# Altium PCB m-BLANC.PcbDoc (part 5 of 15) (continued)
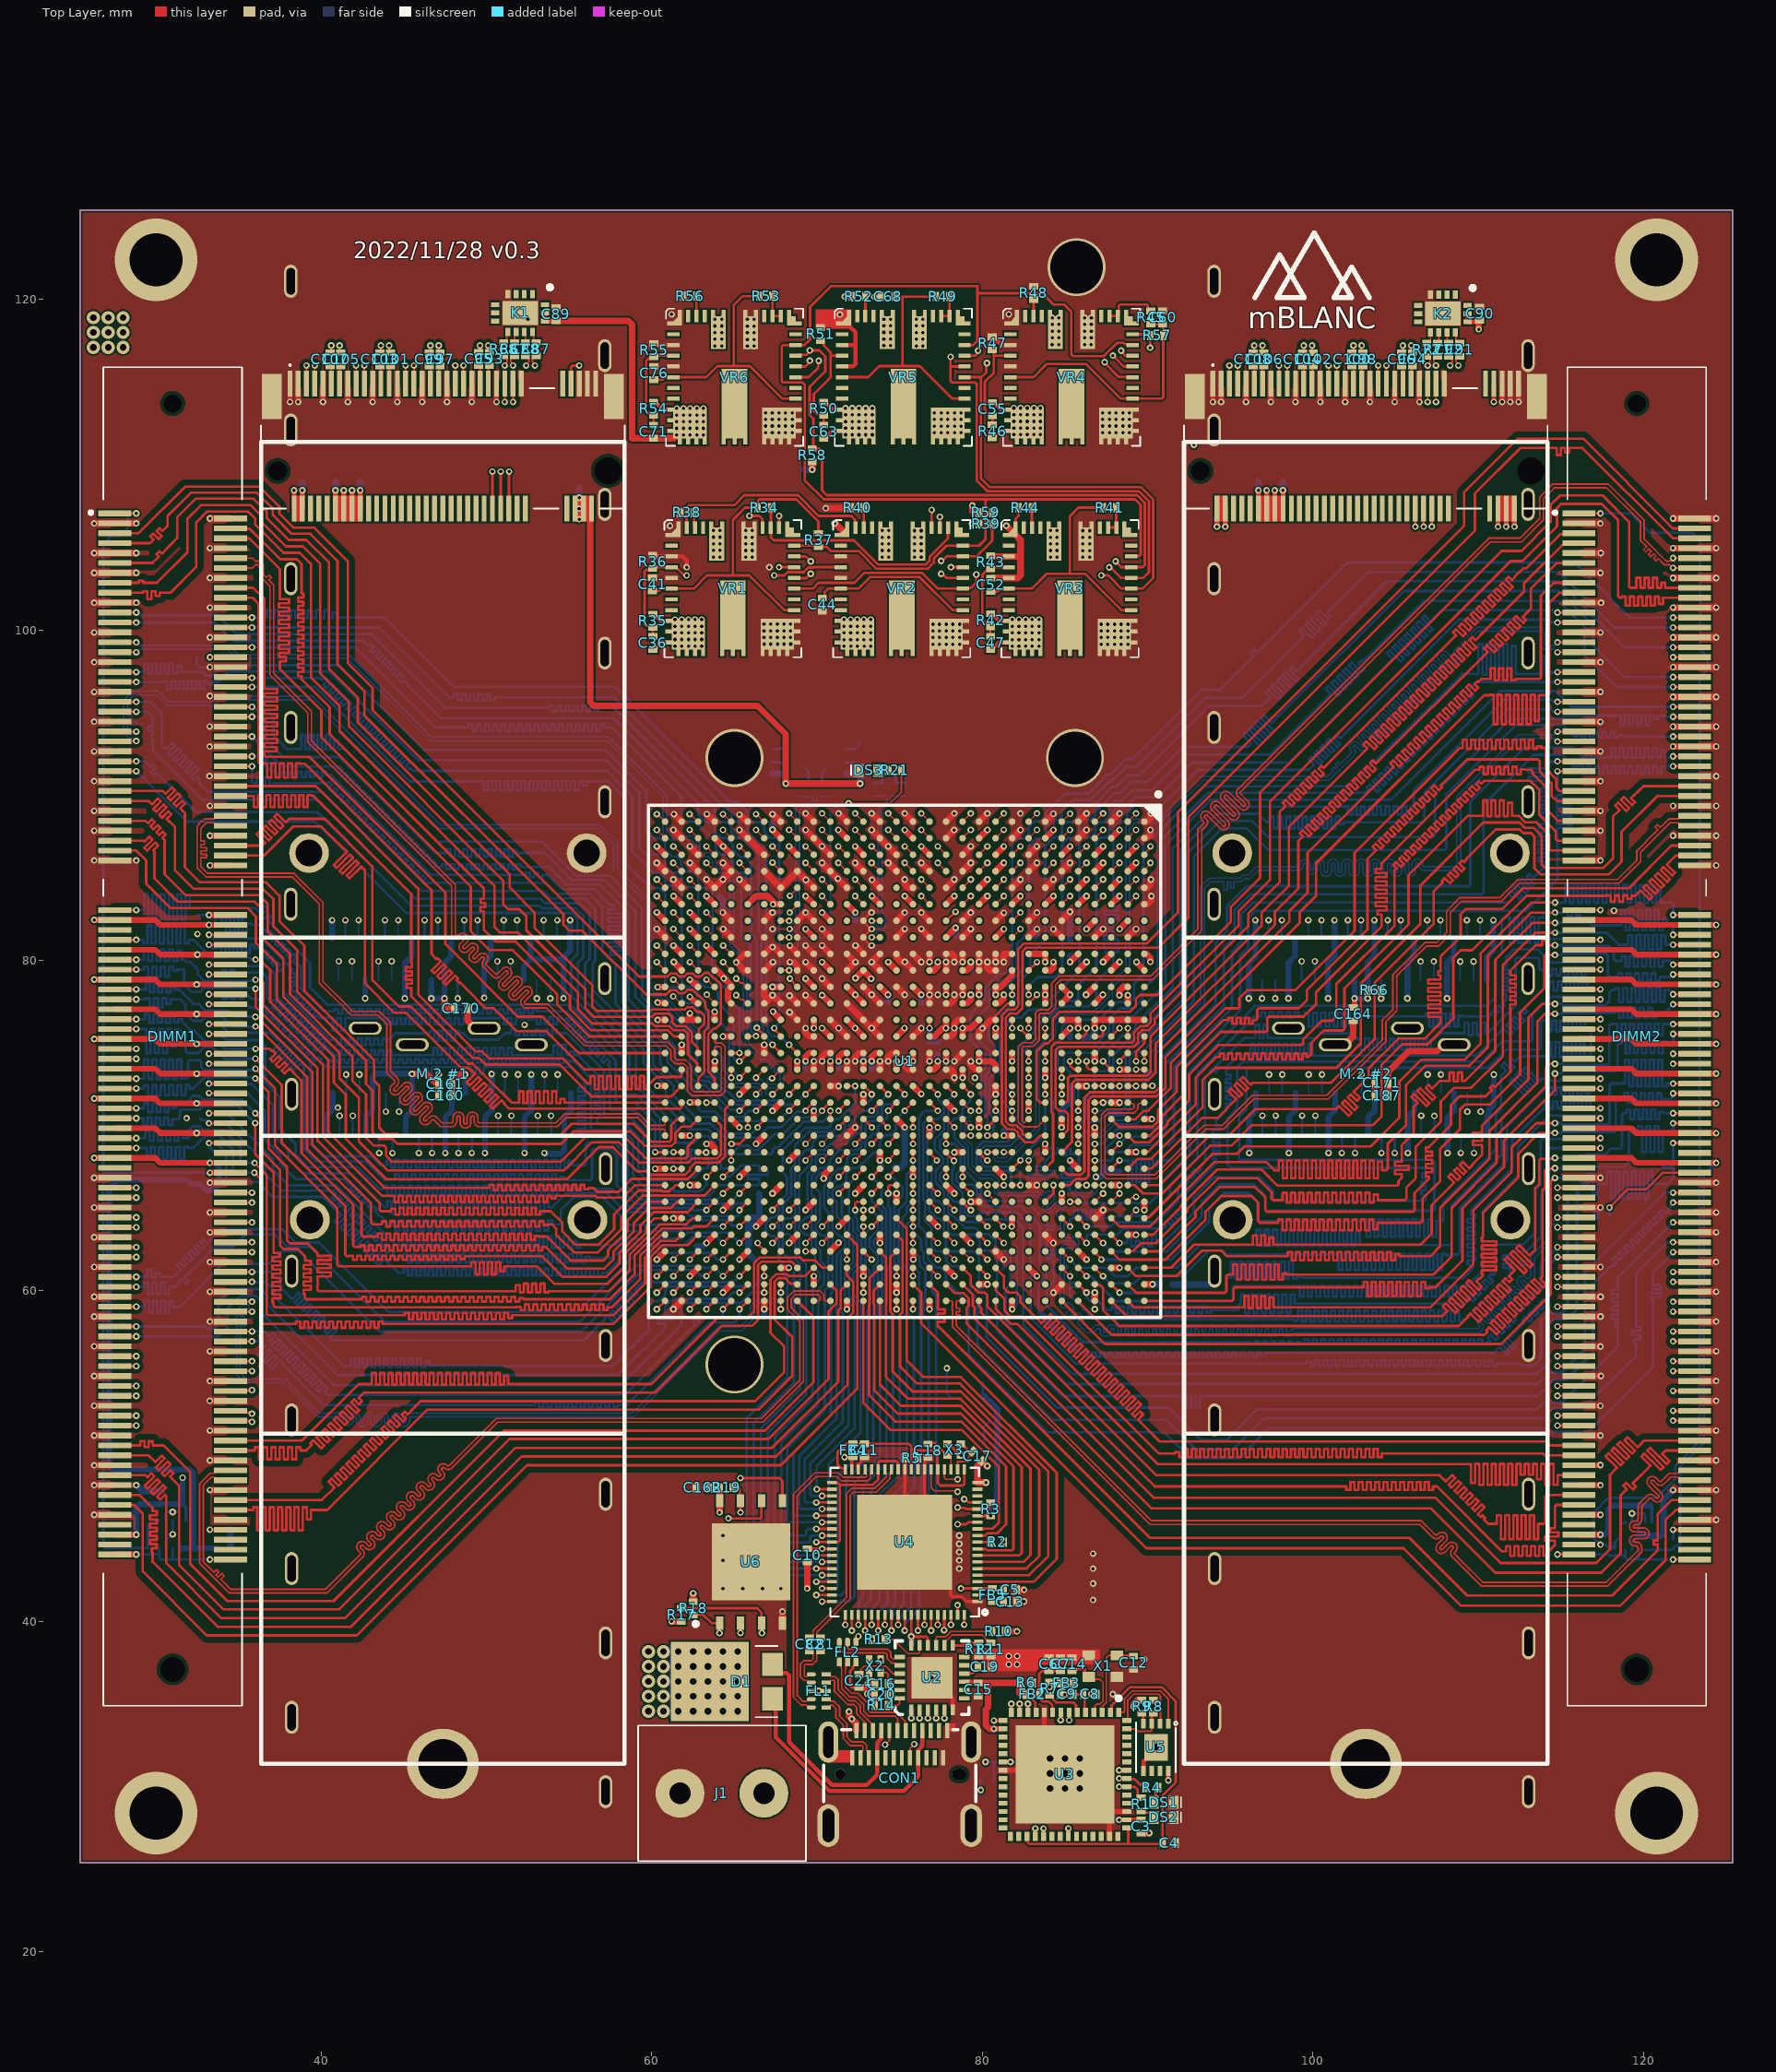
[diagram p0: Top Layer view]
## Nets (pads, with @x,y where several pads share a name; then routed paths per layer and width w, separated by ;. In a path a pad name is that pad's centre, name@x,y a point inside that pad or via, vN(x,y) a via of type N, cw(c..) or ccw(c..) an arc to the next point about the centre after c; other vN are vias at no path point) (continued)
DRAM1_DQ48: DIMM1.163 U1.AC24 | length 52.5
  Top Layer w0.15: DIMM1.163@27.5,56.05 v1(28.8,56.05) ; v1(67.3,64.9) U1.AC24@67.8,65.4
  InLayer2 (Signal) w0.15: v1(28.8,56.05) 28.848,56.002 28.976,56.002 29.013,55.965 29.417,55.965 29.492,55.965 29.492,56.42 29.742,56.42 29.742,55.902 29.992,55.902 29.992,56.42 30.242,56.42 30.242,55.902 30.492,55.902 30.492,56.42 30.742,56.42 30.742,55.902 30.992,55.902 30.992,56.162 31.242,56.162 31.242,55.965 31.813,55.965 34.265,55.965 34.848,56.548 36.048,56.548 36.25,56.75 41.35,56.75 42.7,55.4 61.7,55.4 62.087,55.787 62.087,56.308 63.861,58.082 65.423,58.082 65.675,58.334 65.675,63.951 66.128,64.405 66.487,64.405 66.893,64.812 67.144,64.812 67.232,64.9 v1(67.3,64.9)
DRAM1_DQ49: DIMM1.165 U1.AB24 | length 53.7
  Top Layer w0.15: DIMM1.165@27.5,55.45 v1(28.8,55.45) ; v1(68.3,64.9) U1.AB24@68.8,65.4
  InLayer2 (Signal) w0.15: v1(28.8,55.45) 30.606,55.45 30.681,55.45 30.681,55.454 30.931,55.454 30.931,54.992 31.181,54.992 31.181,55.454 31.431,55.454 31.431,54.992 31.681,54.992 31.681,55.454 31.931,55.454 31.931,54.992 32.181,54.992 32.181,55.454 32.431,55.454 32.431,55.128 32.681,55.128 32.681,55.45 33.129,55.45 34.55,55.45 35.356,56.256 40.845,56.256 42.302,54.8 61.8,54.8 62.496,55.496 62.496,56.077 64.098,57.679 65.637,57.679 65.925,57.967 65.925,63.077 66.257,63.409 66.588,63.409 66.8,63.621 66.8,64.082 67.108,64.389 67.789,64.389 v1(68.3,64.9)
DRAM1_DQ50: DIMM1.175 U1.Y26 | length 56.9
  Top Layer w0.15: DIMM1.175@27.5,52.45 28.621,52.45 v1(28.8,52.45) ; v1(70.3,62.9) U1.Y26@70.8,63.4
  InLayer2 (Signal) w0.15: v1(28.8,52.45) 29.85,52.45 31.5,50.8 35.019,50.8 35.094,50.8 35.094,51.007 35.344,51.007 35.344,50.693 35.594,50.693 35.594,51.007 35.844,51.007 35.844,50.693 36.094,50.693 36.094,50.903 36.344,50.903 36.344,50.8 36.712,50.8 36.8,50.8 37.264,50.336 67.55,50.336 70.447,53.233 70.447,62.687 70.3,62.834 v1(70.3,62.9)
DRAM1_DQ51: DIMM1.177 U1.Y25 | length 57.5
  Top Layer w0.15: DIMM1.177@27.5,51.85 28.621,51.85 v1(28.8,51.85) ; v1(70.3,63.9) U1.Y25@70.8,64.4
  InLayer2 (Signal) w0.15: v1(28.8,51.85) 29.65,51.85 31.2,50.3 34.1,50.3 34.588,49.812 35,49.812 36.1,49.812 67.84,49.812 70.899,52.871 70.899,63.301 v1(70.3,63.9)
DRAM1_DQ52: DIMM1.164 U1.AD27 | length 51.4
  Top Layer w0.15: DIMM1.164@34.5,55.75 35.621,55.75 v1(35.8,55.75) ; v1(66.4,62.9) 66.4,62.85 66.8,62.45 U1.AD27@66.8,62.4
  InLayer2 (Signal) w0.15: v1(35.8,55.75) 40.55,55.75 42.1,54.2 55.033,54.2 55.108,54.2 55.108,54.33 55.358,54.33 55.358,54.05 55.608,54.05 55.608,54.33 55.858,54.33 55.858,54.05 56.108,54.05 56.108,54.33 56.358,54.33 56.358,54.05 56.608,54.05 56.608,54.33 56.858,54.33 56.858,54.05 57.108,54.05 57.108,54.33 57.358,54.33 57.358,54.05 57.608,54.05 57.608,54.33 57.858,54.33 57.858,54.05 58.108,54.05 58.108,54.33 58.358,54.33 58.358,54.05 58.608,54.05 58.608,54.33 58.858,54.33 58.858,54.05 59.108,54.05 59.108,54.33 59.358,54.33 59.358,54.05 59.608,54.05 59.608,54.33 59.858,54.33 59.858,54.05 60.108,54.05 60.108,54.33 60.358,54.33 60.358,54.05 60.608,54.05 60.608,54.33 60.858,54.33 60.858,54.05 61.108,54.05 61.108,54.33 61.358,54.33 61.358,54.05 61.608,54.05 61.608,54.33 61.858,54.33 61.858,54.05 62.108,54.05 62.108,54.239 62.358,54.239 62.358,54.2 62.831,54.2 63.1,54.2 63.813,53.487 66.039,53.487 67.095,54.544 67.095,58.665 67.175,58.745 67.175,59.159 67.175,61.147 66.777,61.545 66.777,62.746 66.662,62.861 66.439,62.861 v1(66.4,62.9)
DRAM1_DQ53: DIMM1.166 U1.AC26 | length 51.6
  Top Layer w0.15: DIMM1.166@34.5,55.15 35.621,55.15 v1(35.8,55.15) ; v1(67.3,62.9) U1.AC26@67.8,63.4
  InLayer2 (Signal) w0.15: v1(35.8,55.15) 40.35,55.15 41.889,53.611 48.855,53.611 48.93,53.611 48.93,53.805 49.18,53.805 49.18,53.475 49.43,53.475 49.43,53.805 49.68,53.805 49.68,53.475 49.93,53.475 49.93,53.805 50.18,53.805 50.18,53.475 50.43,53.475 50.43,53.805 50.68,53.805 50.68,53.475 50.93,53.475 50.93,53.805 51.18,53.805 51.18,53.475 51.43,53.475 51.43,53.805 51.68,53.805 51.68,53.475 51.93,53.475 51.93,53.805 52.18,53.805 52.18,53.475 52.43,53.475 52.43,53.805 52.68,53.805 52.68,53.475 52.93,53.475 52.93,53.805 53.18,53.805 53.18,53.475 53.43,53.475 53.43,53.805 53.68,53.805 53.68,53.475 53.93,53.475 53.93,53.805 54.18,53.805 54.18,53.475 54.43,53.475 54.43,53.805 54.68,53.805 54.68,53.475 54.93,53.475 54.93,53.624 55.18,53.624 55.18,53.611 55.404,53.611 62.989,53.611 63.514,53.086 66.222,53.086 67.425,54.288 67.425,56.578 67.425,59.055 67.425,61.775 67.3,61.9 v1(67.3,62.9)
DRAM1_DQ54: DIMM1.174 U1.AA27 | length 57.3
  Top Layer w0.15: DIMM1.174@34.5,52.75 34.6,52.65 35.657,52.65 35.732,52.575 v1(35.8,52.575) ; v1(69.3,62.4) U1.AA27@69.8,62.4
  InLayer2 (Signal) w0.15: v1(35.8,52.575) 36.59,52.575 37.557,53.543 38.757,53.543 39.15,53.15 39.203,53.097 39.251,53.145 39.428,52.969 39.084,52.625 39.261,52.448 39.605,52.792 39.782,52.615 39.513,52.347 39.69,52.17 39.91,52.39 40.198,52.102 40.818,51.482 67.262,51.482 69.379,53.599 69.379,53.718 69.379,53.793 69.209,53.793 69.209,54.043 69.56,54.043 69.56,54.293 69.209,54.293 69.209,54.543 69.56,54.543 69.56,54.793 69.209,54.793 69.209,55.043 69.56,55.043 69.56,55.293 69.209,55.293 69.209,55.543 69.56,55.543 69.56,55.793 69.209,55.793 69.209,56.043 69.56,56.043 69.56,56.293 69.209,56.293 69.209,56.543 69.56,56.543 69.56,56.793 69.209,56.793 69.209,57.043 69.56,57.043 69.56,57.293 69.209,57.293 69.209,57.543 69.56,57.543 69.56,57.793 69.209,57.793 69.209,58.043 69.56,58.043 69.56,58.293 69.209,58.293 69.209,58.543 69.56,58.543 69.56,58.793 69.209,58.793 69.209,59.043 69.56,59.043 69.56,59.293 69.209,59.293 69.209,59.543 69.56,59.543 69.56,59.793 69.209,59.793 69.209,60.043 69.56,60.043 69.56,60.293 69.334,60.293 69.334,60.543 69.347,60.543 69.347,60.631 69.3,60.678 69.3,60.765 v1(69.3,62.4)
DRAM1_DQ55: DIMM1.176 U1.AA26 | length 56.4
  Top Layer w0.15: DIMM1.176@34.5,52.15 35.621,52.15 35.657,52.15 35.732,52.075 v1(35.8,52.075) ; v1(69.3,62.9) U1.AA26@69.8,63.4
  InLayer2 (Signal) w0.15: v1(35.8,52.075) 35.822,52.097 36.616,52.097 36.856,51.856 36.91,51.803 37.007,51.901 37.184,51.725 37.086,51.627 37.329,51.383 37.778,50.935 38.9,50.935 38.975,50.935 38.975,51.043 39.225,51.043 39.225,50.78 39.475,50.78 39.475,51.043 39.725,51.043 39.725,50.78 39.975,50.78 39.975,51.043 40.225,51.043 40.225,50.78 40.475,50.78 40.475,51.043 40.725,51.043 40.725,50.78 40.975,50.78 40.975,51.043 41.225,51.043 41.225,50.78 41.475,50.78 41.475,51.043 41.725,51.043 41.725,50.78 41.975,50.78 41.975,51.043 42.225,51.043 42.225,50.78 42.475,50.78 42.475,51.043 42.725,51.043 42.725,50.78 42.975,50.78 42.975,51.043 43.225,51.043 43.225,50.78 43.475,50.78 43.475,51.043 43.725,51.043 43.725,50.78 43.975,50.78 43.975,51.043 44.225,51.043 44.225,50.78 44.475,50.78 44.475,51.043 44.725,51.043 44.725,50.78 44.975,50.78 44.975,51.043 45.225,51.043 45.225,50.78 45.475,50.78 45.475,51.043 45.725,51.043 45.725,50.78 45.975,50.78 45.975,51.043 46.225,51.043 46.225,50.78 46.475,50.78 46.475,51.043 46.725,51.043 46.725,50.78 46.975,50.78 46.975,50.935 47.12,50.935 67.448,50.935 69.968,53.455 69.968,60.538 70.175,60.745 70.175,61.055 69.968,61.262 69.968,62.262 69.33,62.9 v1(69.3,62.9)
DRAM1_DQ56: DIMM1.181 U1.AB30 | length 61.5
  Top Layer w0.15: DIMM1.181@27.5,50.65 28.975,50.65 29.05,50.65 29.05,50.917 29.3,50.917 29.3,50.557 29.55,50.557 29.55,50.906 29.8,50.906 29.8,50.65 30.342,50.65 30.45,50.65 32.069,49.031 32.069,43.469 34.301,41.237 40.737,41.237 51.048,51.548 66.834,51.548 69.787,54.501 69.787,58.413 U1.AB30@68.8,59.4
DRAM1_DQ57: DIMM1.183 U1.Y29 | length 65.4
  Top Layer w0.15: DIMM1.183@27.5,50.05 29.55,50.05 29.9,49.7 29.953,49.647 30.347,50.041 30.524,49.864 29.981,49.322 30.158,49.145 30.701,49.688 30.878,49.511 30.335,48.968 30.512,48.791 30.865,49.144 31.041,48.968 30.837,48.763 31.29,48.31 31.4,48.2 31.4,43.407 34.078,40.729 41.068,40.729 51.384,51.046 67.051,51.046 70.687,54.682 70.687,58.756 71.175,59.245 71.175,60.025 U1.Y29@70.8,60.4
DRAM1_DQ58: DIMM1.191 U1.W28 | length 66.9
  Top Layer w0.15: DIMM1.191@27.5,47.65 29,47.65 29.79,46.86 29.79,46.756 29.79,46.681 30.034,46.681 30.034,46.431 29.615,46.431 29.615,46.181 30.034,46.181 30.034,45.931 29.615,45.931 29.615,45.681 30.034,45.681 30.034,45.431 29.615,45.431 29.615,45.181 30.034,45.181 30.034,44.931 29.615,44.931 29.615,44.681 30.034,44.681 30.034,44.431 29.733,44.431 29.733,44.181 29.79,44.181 29.79,43.799 29.79,43.615 33.726,39.679 41.799,39.679 52.105,49.986 67.517,49.986 71.856,54.324 71.856,58.352 72.175,58.672 72.175,60.229 72.175,60.558 71.8,60.933 U1.W28@71.8,61.4
DRAM1_DQ59: DIMM1.193 U1.W26 | length 66
  Top Layer w0.15: DIMM1.193@27.5,47.05 28.672,47.05 28.711,47.011 29.111,46.611 29.192,46.53 29.192,43.028 33.06,39.16 42.143,39.16 52.439,49.456 67.803,49.456 72.425,54.078 72.425,60.055 72.425,62.775 U1.W26@71.8,63.4
DRAM1_DQ60: DIMM1.180 U1.Y28 | length 66.3
  Top Layer w0.15: DIMM1.180@34.5,50.95 38.84,50.95 42.256,54.365 42.975,54.365 43.05,54.365 43.05,55.037 43.3,55.037 43.3,54.336 43.55,54.336 43.55,55.037 43.8,55.037 43.8,54.336 44.05,54.336 44.05,55.037 44.3,55.037 44.3,54.336 44.55,54.336 44.55,55.037 44.8,55.037 44.8,54.336 45.05,54.336 45.05,55.037 45.3,55.037 45.3,54.336 45.55,54.336 45.55,55.037 45.8,55.037 45.8,54.336 46.05,54.336 46.05,55.037 46.3,55.037 46.3,54.336 46.55,54.336 46.55,55.037 46.8,55.037 46.8,54.336 47.05,54.336 47.05,55.037 47.3,55.037 47.3,54.336 47.55,54.336 47.55,55.037 47.8,55.037 47.8,54.336 48.05,54.336 48.05,55.037 48.3,55.037 48.3,54.336 48.55,54.336 48.55,55.037 48.8,55.037 48.8,54.336 49.05,54.336 49.05,55.037 49.3,55.037 49.3,54.336 49.55,54.336 49.55,55.037 49.8,55.037 49.8,54.336 50.05,54.336 50.05,55.037 50.3,55.037 50.3,54.336 50.55,54.336 50.55,55.037 50.8,55.037 50.8,54.336 51.05,54.336 51.05,54.864 51.3,54.864 51.3,54.365 51.5,54.365 59.965,54.365 63.938,58.338 65.759,58.338 66.175,58.754 66.175,59.641 66.175,60.245 66.175,61.659 66.541,62.025 68.989,62.025 69.166,61.848 69.882,61.848 70.33,61.4 U1.Y28@70.8,61.4
DRAM1_DQ61: DIMM1.182 U1.AB28 | length 59.3
  Top Layer w0.15: DIMM1.182@34.5,50.35 35.9,50.35 35.975,50.35 35.975,50.537 36.225,50.537 36.225,49.814 36.475,49.814 36.475,50.537 36.725,50.537 36.725,49.814 36.975,49.814 36.975,50.537 37.225,50.537 37.225,49.814 37.475,49.814 37.475,50.537 37.725,50.537 37.725,49.814 37.975,49.814 37.975,50.537 38.225,50.537 38.225,49.814 38.475,49.814 38.475,50.537 38.725,50.537 38.725,50.35 38.888,50.35 39.084,50.35 39.311,50.577 39.364,50.63 39.427,50.692 39.333,50.786 39.51,50.963 40.001,50.472 40.178,50.648 39.686,51.14 39.863,51.317 40.355,50.825 40.531,51.002 40.04,51.493 40.217,51.67 40.708,51.179 40.885,51.356 40.393,51.847 40.57,52.024 41.062,51.532 41.238,51.709 40.747,52.201 40.924,52.377 41.415,51.886 41.592,52.063 41.1,52.554 41.277,52.731 41.769,52.239 41.945,52.416 41.454,52.908 41.631,53.084 42.122,52.593 42.299,52.77 41.808,53.261 41.984,53.438 42.275,53.147 42.452,53.324 42.257,53.519 42.316,53.578 42.532,53.794 42.585,53.847 60.197,53.847 64.25,57.9 66.075,57.9 66.425,58.25 66.425,59.055 66.425,59.745 66.425,60.141 66.425,61.555 66.645,61.775 68.462,61.775 68.8,61.437 U1.AB28@68.8,61.4
DRAM1_DQ62: DIMM1.192 U1.AA28 | length 60.4
  Top Layer w0.15: DIMM1.192@34.5,47.35 40.029,47.35 40.74,48.06 40.793,48.113 40.444,48.462 40.621,48.638 41.043,48.217 41.22,48.393 40.798,48.815 40.975,48.992 41.396,48.57 41.573,48.747 41.152,49.169 41.328,49.346 41.75,48.924 41.927,49.101 41.505,49.522 41.682,49.699 42.104,49.277 42.28,49.454 41.859,49.876 42.035,50.053 42.457,49.631 42.634,49.808 42.212,50.229 42.389,50.406 42.811,49.984 42.987,50.161 42.566,50.583 42.742,50.76 43.164,50.338 43.341,50.515 42.919,50.937 43.096,51.113 43.518,50.692 43.695,50.868 43.273,51.29 43.45,51.467 43.871,51.045 44.048,51.222 43.626,51.644 43.803,51.82 44.225,51.399 44.402,51.575 43.98,51.997 44.157,52.174 44.578,51.752 44.755,51.929 44.333,52.351 44.51,52.528 44.932,52.106 45.109,52.283 44.868,52.523 45.045,52.7 45.212,52.533 45.564,52.885 46.006,53.326 66.244,53.326 68,55.083 68,56.645 67.175,57.47 67.175,59.555 67.175,60.159 67.175,60.659 67.541,61.025 68.161,61.025 68.286,60.9 69.27,60.9 69.77,61.4 U1.AA28@69.8,61.4
DRAM1_DQ63: DIMM1.194 U1.AB29 | length 63.3
  Top Layer w0.15: DIMM1.194@34.5,46.75 35.8,46.75 35.875,46.75 35.875,46.912 36.125,46.912 36.125,45.522 36.375,45.522 36.375,46.912 36.625,46.912 36.625,45.522 36.875,45.522 36.875,46.912 37.125,46.912 37.125,45.522 37.375,45.522 37.375,46.912 37.625,46.912 37.625,45.522 37.875,45.522 37.875,46.912 38.125,46.912 38.125,45.522 38.375,45.522 38.375,46.912 38.625,46.912 38.625,45.522 38.875,45.522 38.875,46.912 39.125,46.912 39.125,46.171 39.375,46.171 39.375,46.75 39.5,46.75 40.35,46.75 46.42,52.82 66.466,52.82 68.5,54.854 68.5,57.2 67.425,58.275 67.425,59.659 67.425,60.055 67.425,60.555 67.645,60.775 68.057,60.775 68.385,60.448 68.752,60.448 U1.AB29@68.8,60.4
DRAM1_DQS0_N: DIMM1.10 U1.AG15 | length 61.8
  Top Layer w0.1: DIMM1.10@34.5,104.35 35.621,104.35 35.8,104.35 35.821,104.35 36.009,104.163 36.243,104.163 36.503,103.903 36.503,103.347 36.644,103.206 36.679,103.171 36.822,103.313 36.963,103.172 36.821,103.029 36.925,102.925 37.113,102.737 37.113,97.368 39.4,95.081 39.4,93.297 48.1,84.597 48.1,81.68 48.1,81.619 48.184,81.535 ccw(c48.255,81.606) 48.326,81.535 48.363,81.572 48.368,81.572 cw(c48.56,81.309) 48.789,81.079 ; 48.591,80.881 ccw(c48.661,80.81) 48.59,80.739 ccw(c48.661,80.81) 48.732,80.739 48.964,80.971 48.969,80.971 cw(c49.161,80.708) 49.391,80.938 cw(c49.161,80.708) 49.39,80.478 49.192,80.28 ; 48.591,80.881 48.789,81.079 ; 49.191,80.138 cw(c49.262,80.208) 49.192,80.279 ; 49.192,80.138 ccw(c49.262,80.208) 49.333,80.138 49.565,80.37 49.57,80.37 cw(c49.762,80.107) 49.991,79.877 49.988,79.874 ccw(c50.058,79.802) 49.988,79.731 ; 49.988,79.731 50.165,79.554 cw(c50.086,79.474) 50.166,79.553 50.28,79.439 50.407,79.312 50.521,79.198 ; 50.522,79.198 ccw(c50.593,79.268) 50.664,79.198 ; 50.664,79.198 50.995,79.529 51,79.529 cw(c51.192,79.266) 51.421,79.036 50.987,78.602 ccw(c51.057,78.53) 50.986,78.459 ccw(c51.057,78.53) 51.128,78.46 ; 51.128,78.46 51.633,78.965 51.638,78.965 cw(c51.829,78.702) 52.059,78.471 ; 51.587,78 ccw(c51.658,77.929) 51.587,77.858 ccw(c51.658,77.929) 51.729,77.859 ; 51.588,78.001 52.059,78.471 ; 51.729,77.859 52.234,78.363 52.239,78.363 cw(c52.43,78.101) 52.66,77.87 52.326,77.536 ccw(c52.396,77.465) 52.325,77.394 52.368,77.351 52.457,77.351 52.847,77.352 52.894,77.351 52.895,77.35 53.724,77.35 54.953,76.12 56.024,75.05 60.963,75.05 61.375,74.638 61.375,74.1 61.5,73.975 62.038,73.975 62.375,73.638 62.375,72.214 62.539,72.05 64.091,72.05 64.2,72.159 64.2,74.7 64.113,74.788 63.859,74.788 63.8,74.729 U1.AG15@63.8,74.4
DRAM1_DQS0_P: DIMM1.12 U1.AG14 | length 62.2
  Top Layer w0.1: DIMM1.12@34.5,103.75 35.621,103.75 35.8,103.75 35.821,103.75 36.009,103.938 36.15,103.938 36.278,103.809 36.278,103.254 36.888,102.644 36.888,97.275 39.175,94.988 39.175,93.204 47.875,84.504 47.875,81.526 47.91,81.491 48.025,81.376 ; 48.025,81.376 ccw(c48.255,81.606) 48.485,81.376 48.488,81.379 cw(c48.56,81.309) 48.63,81.38 cw(c48.56,81.309) 48.63,81.238 ; 48.63,81.238 48.398,81.006 48.398,81.001 ccw(c48.661,80.81) 48.891,80.58 49.089,80.778 cw(c49.161,80.708) 49.231,80.779 ; 49.231,80.637 48.999,80.405 48.999,80.4 ccw(c49.262,80.208) 49.493,79.979 ; 49.231,80.637 ccw(c49.161,80.708) 49.232,80.778 ; 49.493,79.979 49.69,80.177 ; 49.691,80.177 cw(c49.762,80.107) 49.832,80.178 cw(c49.762,80.107) 49.832,80.036 ; 49.832,80.036 49.829,80.033 ccw(c50.058,79.802) 49.829,79.572 50.006,79.395 ccw(c50.086,79.474) 50.007,79.394 50.121,79.28 50.248,79.153 50.362,79.039 ; 50.363,79.038 ccw(c50.593,79.268) 50.823,79.039 51.12,79.336 ; 51.121,79.336 cw(c51.192,79.266) 51.262,79.195 50.794,78.727 50.794,78.721 ccw(c51.057,78.53) 50.826,78.301 ccw(c51.057,78.53) 50.827,78.3 ccw(c51.057,78.53) 50.828,78.299 ccw(c51.057,78.53) 51.287,78.301 ; 51.287,78.301 51.758,78.772 ; 51.758,78.772 cw(c51.829,78.702) 51.9,78.631 51.395,78.126 51.395,78.12 ccw(c51.658,77.929) 51.427,77.7 ccw(c51.658,77.929) 51.428,77.699 ccw(c51.658,77.929) 51.429,77.698 ccw(c51.658,77.929) 51.888,77.7 52.359,78.171 cw(c52.43,78.101) 52.501,78.03 ; 52.458,77.126 52.622,77.126 ; 52.457,77.126 52.275,77.126 52.167,77.234 cw(c52.396,77.465) 52.166,77.695 52.5,78.029 ; 52.622,77.126 52.8,77.126 52.802,77.125 53.631,77.125 54.728,76.027 55.931,74.825 60.87,74.825 61.15,74.545 61.15,74.007 61.407,73.75 61.945,73.75 62.15,73.545 62.15,72.121 62.446,71.825 64.185,71.825 64.425,72.065 64.425,74.793 64.359,74.859 64.206,75.013 63.859,75.013 63.8,75.071 U1.AG14@63.8,75.4
DRAM1_DQS1_N: DIMM1.27 U1.AD16 | length 62
  Top Layer w0.1: DIMM1.27@27.5,99.25 v1(28.8,99.25) ; v1(66.3,72.9) U1.AD16@66.8,73.4
  Bottom Layer w0.1: v1(28.8,99.25) 28.821,99.25 29.009,99.062 34.398,99.062 34.946,98.515 41.648,98.515 46.647,93.516 57.373,93.516 60.9,89.989 60.9,87.8 61.175,87.525 62.488,87.525 62.9,87.113 62.9,86.65 63.026,86.524 63.49,86.524 63.9,86.113 63.9,85.7 64.075,85.525 64.53,85.525 64.947,85.107 64.947,80.971 65.75,80.168 65.75,75.656 65.875,75.531 65.875,74.974 66.624,74.225 67.072,74.225 67.145,74.152 67.992,73.305 67.992,72.507 67.778,72.293 67.025,72.293 66.965,72.353 66.745,72.573 66.745,72.71 66.741,72.714 66.613,72.843 66.357,72.843 v1(66.3,72.9)
DRAM1_DQS1_P: DIMM1.29 U1.AC16 | length 61.9
  Top Layer w0.1: DIMM1.29@27.5,98.65 v1(28.8,98.65) ; v1(67.268,72.868) U1.AC16@67.8,73.4
  Bottom Layer w0.1: v1(28.8,98.65) 28.821,98.65 29.009,98.837 34.305,98.837 34.853,98.29 41.555,98.29 46.554,93.291 57.28,93.291 60.675,89.896 60.675,87.707 61.082,87.3 62.395,87.3 62.675,87.02 62.675,86.557 62.933,86.299 63.396,86.299 63.675,86.02 63.675,85.607 63.741,85.541 63.982,85.3 64.437,85.3 64.722,85.014 64.722,80.878 65.525,80.075 65.525,75.562 65.65,75.437 65.65,74.881 66.531,74 66.979,74 67.027,73.952 67.062,73.916 67.204,73.775 67.004,73.575 67.145,73.433 67.345,73.633 67.487,73.492 67.349,73.355 67.491,73.213 67.628,73.351 67.738,73.241 67.767,73.212 67.767,72.6 67.685,72.518 67.118,72.518 67.058,72.578 66.97,72.666 66.97,72.809 67.029,72.868 v1(67.268,72.868) v1@67.21,72.925
DRAM1_DQS2_N: DIMM1.45 U1.AD17 | length 60.8
  Top Layer w0.1: DIMM1.45@27.5,93.85 v1(28.8,93.85) ; v1(66.3,71.9) U1.AD17@66.8,72.4
  Bottom Layer w0.1: v1(28.8,93.85) 28.766,93.85 28.591,93.675 28.48,93.675 28.259,93.896 28.259,93.992 28.259,94.242 28.904,94.242 28.904,94.442 28.259,94.442 28.259,94.642 28.513,94.642 28.513,94.842 28.259,94.842 28.259,95.042 28.398,95.042 28.398,95.242 28.259,95.242 28.259,95.4 28.259,95.659 28.666,96.065 30.017,96.065 30.657,95.425 33.488,95.425 33.832,95.769 39.322,95.769 47.116,87.975 56.744,87.975 57.686,87.034 57.686,85.502 59.7,83.488 59.7,78.213 60.102,77.811 60.492,77.811 61.725,76.578 61.725,76.562 62.062,76.225 62.078,76.225 63.109,75.193 63.109,73.577 63.41,73.275 63.612,73.275 64.562,72.325 66.379,72.325 66.662,72.041 66.662,71.959 66.604,71.9 v1(66.3,71.9)
DRAM1_DQS2_P: DIMM1.47 U1.AC17 | length 59.9
  Top Layer w0.1: DIMM1.47@27.5,93.25 27.525,93.275 v1(28.8,93.275) ; v1(67.3,71.9) U1.AC17@67.8,72.4
  Bottom Layer w0.1: v1(28.8,93.275) 28.766,93.275 28.591,93.45 28.387,93.45 28.034,93.803 28.034,95.4 28.034,95.752 28.572,96.29 30.11,96.29 30.75,95.65 33.395,95.65 33.739,95.994 39.416,95.994 47.209,88.2 56.838,88.2 57.911,87.127 57.911,85.595 59.925,83.581 59.925,78.307 60.196,78.036 60.585,78.036 61.95,76.671 61.95,76.655 62.155,76.45 62.171,76.45 63.334,75.287 63.334,73.67 63.504,73.5 63.705,73.5 64.655,72.55 66.472,72.55 66.887,72.135 66.887,71.984 66.971,71.9 v1(67.3,71.9)
DRAM1_DQS3_N: DIMM1.62 U1.AK20 | length 53.1
  Top Layer w0.1: DIMM1.62@34.5,88.75 33.675,88.75 33.55,88.625 33.55,88.621 33.491,88.563 33.35,88.563 32.945,88.563 32.841,88.459 32.765,88.383 32.719,88.428 32.578,88.287 32.623,88.241 32.588,88.206 32.482,88.1 32.482,85.588 33.024,85.046 38.254,85.046 39.875,83.425 39.875,78.625 41.4,77.1 41.8,76.7 43.412,76.7 43.964,76.148 43.964,73.195 44.007,73.152 44.422,72.737 cw(c44.352,72.666) 44.422,72.595 44.247,72.419 ccw(c44.476,72.189) 44.668,71.926 44.673,71.926 45.112,72.364 cw(c45.183,72.294) 45.253,72.365 ; 44.848,71.818 ccw(c45.077,71.588) 45.269,71.325 45.274,71.325 45.713,71.763 ; 44.848,71.818 45.253,72.223 ; 45.253,72.223 ccw(c45.183,72.294) 45.254,72.365 ; 45.713,71.764 cw(c45.784,71.693) 45.855,71.764 cw(c45.784,71.693) 45.854,71.622 ; 45.854,71.622 45.449,71.217 ccw(c45.678,70.987) 45.87,70.724 45.875,70.724 46.314,71.162 ; 46.314,71.163 cw(c46.385,71.092) 46.455,71.163 ; 46.456,71.162 cw(c46.385,71.092) 46.455,71.021 46.05,70.616 ccw(c46.279,70.386) 46.471,70.123 46.476,70.123 46.685,70.332 cw(c46.756,70.261) 46.828,70.331 47.175,69.984 47.215,69.944 47.706,69.944 47.868,69.944 ccw(c47.868,70.269) 48.193,70.269 48.193,70.494 cw(c48.293,70.494) 48.293,70.594 cw(c48.293,70.494) 48.393,70.494 48.393,70.188 ccw(c48.718,70.188) 48.718,69.863 ccw(c48.718,70.188) 49.043,70.188 49.043,70.494 cw(c49.143,70.494) 49.143,70.594 cw(c49.143,70.494) 49.243,70.494 49.243,70.269 ccw(c49.568,70.269) 49.568,69.944 50.172,69.944 54.28,69.944 54.827,70.492 59.127,70.492 59.831,69.788 60.741,69.788 60.8,69.729 U1.AK20@60.8,69.4
DRAM1_DQS3_P: DIMM1.64 U1.AK19 | length 54
  Top Layer w0.1: DIMM1.64@34.5,88.15 33.675,88.15 33.55,88.275 33.55,88.279 33.491,88.337 33.257,88.337 33.038,88.338 32.707,88.007 32.707,87.708 32.707,87.224 32.921,87.224 32.921,87.024 32.707,87.024 32.707,86.824 33.047,86.824 33.047,86.624 32.707,86.624 32.707,86.424 33.047,86.424 33.047,86.224 32.707,86.224 32.707,85.974 32.707,85.681 33.117,85.271 38.348,85.271 40.1,83.518 40.1,78.718 41.4,77.418 41.559,77.259 41.893,76.925 43.505,76.925 44.189,76.241 44.189,73.333 44.189,73.288 44.581,72.896 44.615,72.862 44.615,72.857 cw(c44.352,72.666) 44.581,72.435 44.406,72.26 ; 44.406,72.26 ccw(c44.476,72.189) 44.405,72.118 ccw(c44.476,72.189) 44.547,72.118 ; 44.548,72.119 44.952,72.523 cw(c45.183,72.294) 45.413,72.524 cw(c45.183,72.294) 45.446,72.103 45.446,72.097 45.007,71.659 ; 45.007,71.658 ccw(c45.077,71.588) 45.007,71.517 ccw(c45.077,71.588) 45.148,71.517 45.553,71.922 cw(c45.784,71.693) 46.047,71.502 46.047,71.496 45.608,71.058 ccw(c45.678,70.987) 45.608,70.916 ; 45.608,70.916 ccw(c45.678,70.987) 45.749,70.916 ; 45.75,70.917 46.155,71.321 cw(c46.385,71.092) 46.615,71.322 cw(c46.385,71.092) 46.648,70.901 46.648,70.895 46.209,70.457 ; 46.209,70.456 ccw(c46.279,70.386) 46.209,70.315 ccw(c46.279,70.386) 46.35,70.315 ; 46.351,70.316 46.526,70.491 cw(c46.756,70.261) 46.948,70.524 46.953,70.524 46.986,70.492 47.308,70.169 47.36,70.169 47.706,70.169 47.868,70.169 ccw(c47.868,70.269) 47.968,70.269 47.968,70.494 cw(c48.293,70.494) 48.293,70.819 cw(c48.293,70.494) 48.618,70.494 48.618,70.188 ccw(c48.718,70.188) 48.718,70.088 ccw(c48.718,70.188) 48.818,70.188 48.818,70.494 cw(c49.143,70.494) 49.143,70.819 cw(c49.143,70.494) 49.468,70.494 49.468,70.269 ccw(c49.568,70.269) 49.568,70.169 50.172,70.169 54.187,70.169 54.734,70.717 59.22,70.717 59.924,70.013 60.741,70.013 60.8,70.071 U1.AK19@60.8,70.4
DRAM1_DQS4_N: DIMM1.135 U1.AJ28 | length 44.8
  Top Layer w0.1: DIMM1.135@27.5,64.45 v1(28.8,64.45) ; v1(61.3,60.9) U1.AJ28@61.8,61.4
  InLayer2 (Signal) w0.1: v1(28.8,64.45) 28.814,64.45 29.009,64.255 29.44,64.255 29.49,64.255 29.49,64.423 29.69,64.423 29.69,64.255 29.89,64.255 29.89,64.423 30.09,64.423 30.09,64.255 30.29,64.255 30.29,64.423 30.49,64.423 30.49,64.255 30.69,64.255 30.69,64.341 30.89,64.341 30.89,64.255 30.992,64.255 31.712,64.255 34.5,61.467 34.5,61.189 35.664,60.025 35.98,60.025 37.579,58.426 39.647,58.426 40.194,58.973 58.389,58.973 59.426,57.937 61.832,57.937 62.701,58.806 62.701,60.216 62.643,60.275 61.881,60.275 61.69,60.465 61.69,61.229 61.632,61.287 61.359,61.287 61.3,61.229 v1(61.3,60.9)
DRAM1_DQS4_P: DIMM1.137 U1.AJ27 | length 44.4
  Top Layer w0.1: DIMM1.137@27.5,63.85 v1(28.8,63.85) ; v1(61.3,61.9) U1.AJ27@61.8,62.4
  InLayer2 (Signal) w0.1: v1(28.8,63.85) 28.828,63.85 29.009,64.03 29.9,64.03 30.15,64.03 30.15,64.027 30.35,64.027 30.35,64.03 30.675,64.03 31.619,64.03 34.275,61.374 34.275,61.096 35.571,59.8 35.887,59.8 37.485,58.201 39.741,58.201 40.287,58.748 58.296,58.748 59.333,57.712 61.925,57.712 62.926,58.713 62.926,60.31 62.736,60.5 61.974,60.5 61.915,60.559 61.915,61.322 61.725,61.512 61.359,61.512 61.3,61.571 v1(61.3,61.9)
DRAM1_DQS5_N: DIMM1.152 U1.AC30 | length 48.5
  Top Layer w0.1: DIMM1.152@34.5,59.35 35.621,59.35 v1(35.8,59.35) ; v1(67.8,58.9) U1.AC30@67.8,59.4
  Bottom Layer w0.1: v1(35.8,59.35) 35.613,59.162 35.244,59.162 35.141,59.059 34.87,58.788 34.87,54.93 35.1,54.7 35.359,54.441 37.741,54.441 39.807,52.375 40.195,52.375 41.175,52.375 cw(c41.175,52.275) 41.275,52.275 41.275,52.185 ccw(c41.6,52.185) 41.6,51.86 ccw(c41.6,52.185) 41.925,52.185 41.925,52.298 cw(c42.025,52.298) 42.025,52.398 cw(c42.025,52.298) 42.125,52.298 42.125,52.11 ccw(c42.45,52.11) 42.45,51.785 ccw(c42.45,52.11) 42.775,52.11 42.775,52.298 cw(c42.875,52.298) 42.875,52.398 cw(c42.875,52.298) 42.975,52.298 42.975,52.11 ccw(c43.3,52.11) 43.3,51.785 ccw(c43.3,52.11) 43.625,52.11 43.625,52.298 cw(c43.725,52.298) 43.725,52.398 cw(c43.725,52.298) 43.825,52.298 43.825,52.11 ccw(c44.15,52.11) 44.15,51.785 ccw(c44.15,52.11) 44.475,52.11 44.475,52.298 cw(c44.575,52.298) 44.575,52.398 cw(c44.575,52.298) 44.675,52.298 44.675,52.11 ccw(c45,52.11) 45,51.785 ccw(c45,52.11) 45.325,52.11 45.325,52.275 cw(c45.425,52.275) 45.425,52.375 45.587,52.375 58.887,52.375 64.096,57.584 65.418,57.584 66.205,58.371 66.205,59.005 66.493,59.293 67.736,59.293 67.8,59.229 v1(67.8,58.9)
DRAM1_DQS5_P: DIMM1.154 U1.AC29 | length 48.8
  Top Layer w0.1: DIMM1.154@34.5,58.75 35.621,58.75 v1(35.8,58.75) ; v1(67.8,59.9) U1.AC29@67.8,60.4
  Bottom Layer w0.1: v1(35.8,58.75) 35.613,58.937 35.337,58.937 35.202,58.802 35.095,58.695 35.095,58.463 35.324,58.463 35.324,58.263 35.095,58.263 35.095,58.063 35.383,58.063 35.383,57.863 35.095,57.863 35.095,57.613 35.095,55.023 35.259,54.859 35.452,54.666 37.834,54.666 39.9,52.6 40.195,52.6 41.175,52.6 cw(c41.175,52.275) 41.5,52.275 41.5,52.185 ccw(c41.6,52.185) 41.6,52.085 ccw(c41.6,52.185) 41.7,52.185 41.7,52.298 cw(c42.025,52.298) 42.025,52.623 cw(c42.025,52.298) 42.35,52.298 42.35,52.11 ccw(c42.45,52.11) 42.45,52.01 ccw(c42.45,52.11) 42.55,52.11 42.55,52.298 cw(c42.875,52.298) 42.875,52.623 cw(c42.875,52.298) 43.2,52.298 43.2,52.11 ccw(c43.3,52.11) 43.3,52.01 ccw(c43.3,52.11) 43.4,52.11 43.4,52.298 cw(c43.725,52.298) 43.725,52.623 cw(c43.725,52.298) 44.05,52.298 44.05,52.11 ccw(c44.15,52.11) 44.15,52.01 ccw(c44.15,52.11) 44.25,52.11 44.25,52.298 cw(c44.575,52.298) 44.575,52.623 cw(c44.575,52.298) 44.9,52.298 44.9,52.11 ccw(c45,52.11) 45,52.01 ccw(c45,52.11) 45.1,52.11 45.1,52.275 cw(c45.425,52.275) 45.425,52.6 45.587,52.6 58.793,52.6 64.003,57.809 65.325,57.809 65.98,58.464 65.98,59.099 66.4,59.518 67.741,59.518 67.8,59.577 v1(67.8,59.9)
DRAM1_DQS6_N: DIMM1.169 U1.AC25 | length 53.3
  Top Layer w0.1: DIMM1.169@27.5,54.25 v1(28.8,54.25) ; v1(67.3,63.9) U1.AC25@67.8,64.4
  InLayer2 (Signal) w0.1: v1(28.8,54.25) 28.821,54.25 29.009,54.062 29.554,54.062 30.669,54.062 34.16,54.062 34.718,54.62 39.78,54.62 41.457,52.943 62.875,52.943 63.122,52.696 66.589,52.696 68.15,54.258 68.15,60.406 67.699,60.856 67.699,63.818 67.626,63.891 67.309,63.891 v1(67.3,63.9)
DRAM1_DQS6_P: DIMM1.171 U1.AB25 | length 53.8
  Top Layer w0.1: DIMM1.171@27.5,53.65 v1(28.8,53.65) ; v1(68.3,63.9) U1.AB25@68.8,64.4
  InLayer2 (Signal) w0.1: v1(28.8,53.65) 28.821,53.65 29.009,53.837 34.254,53.837 34.811,54.395 39.687,54.395 39.882,54.2 41.364,52.718 62.782,52.718 63.029,52.471 66.682,52.471 68.375,54.164 68.375,60.499 67.924,60.95 67.924,63.071 67.924,63.321 68.016,63.321 68.016,63.521 67.924,63.521 67.924,63.738 67.924,63.826 67.983,63.884 68.284,63.884 v1(68.3,63.9)